# KiCad board EOutside.kicad_pcb (continued)
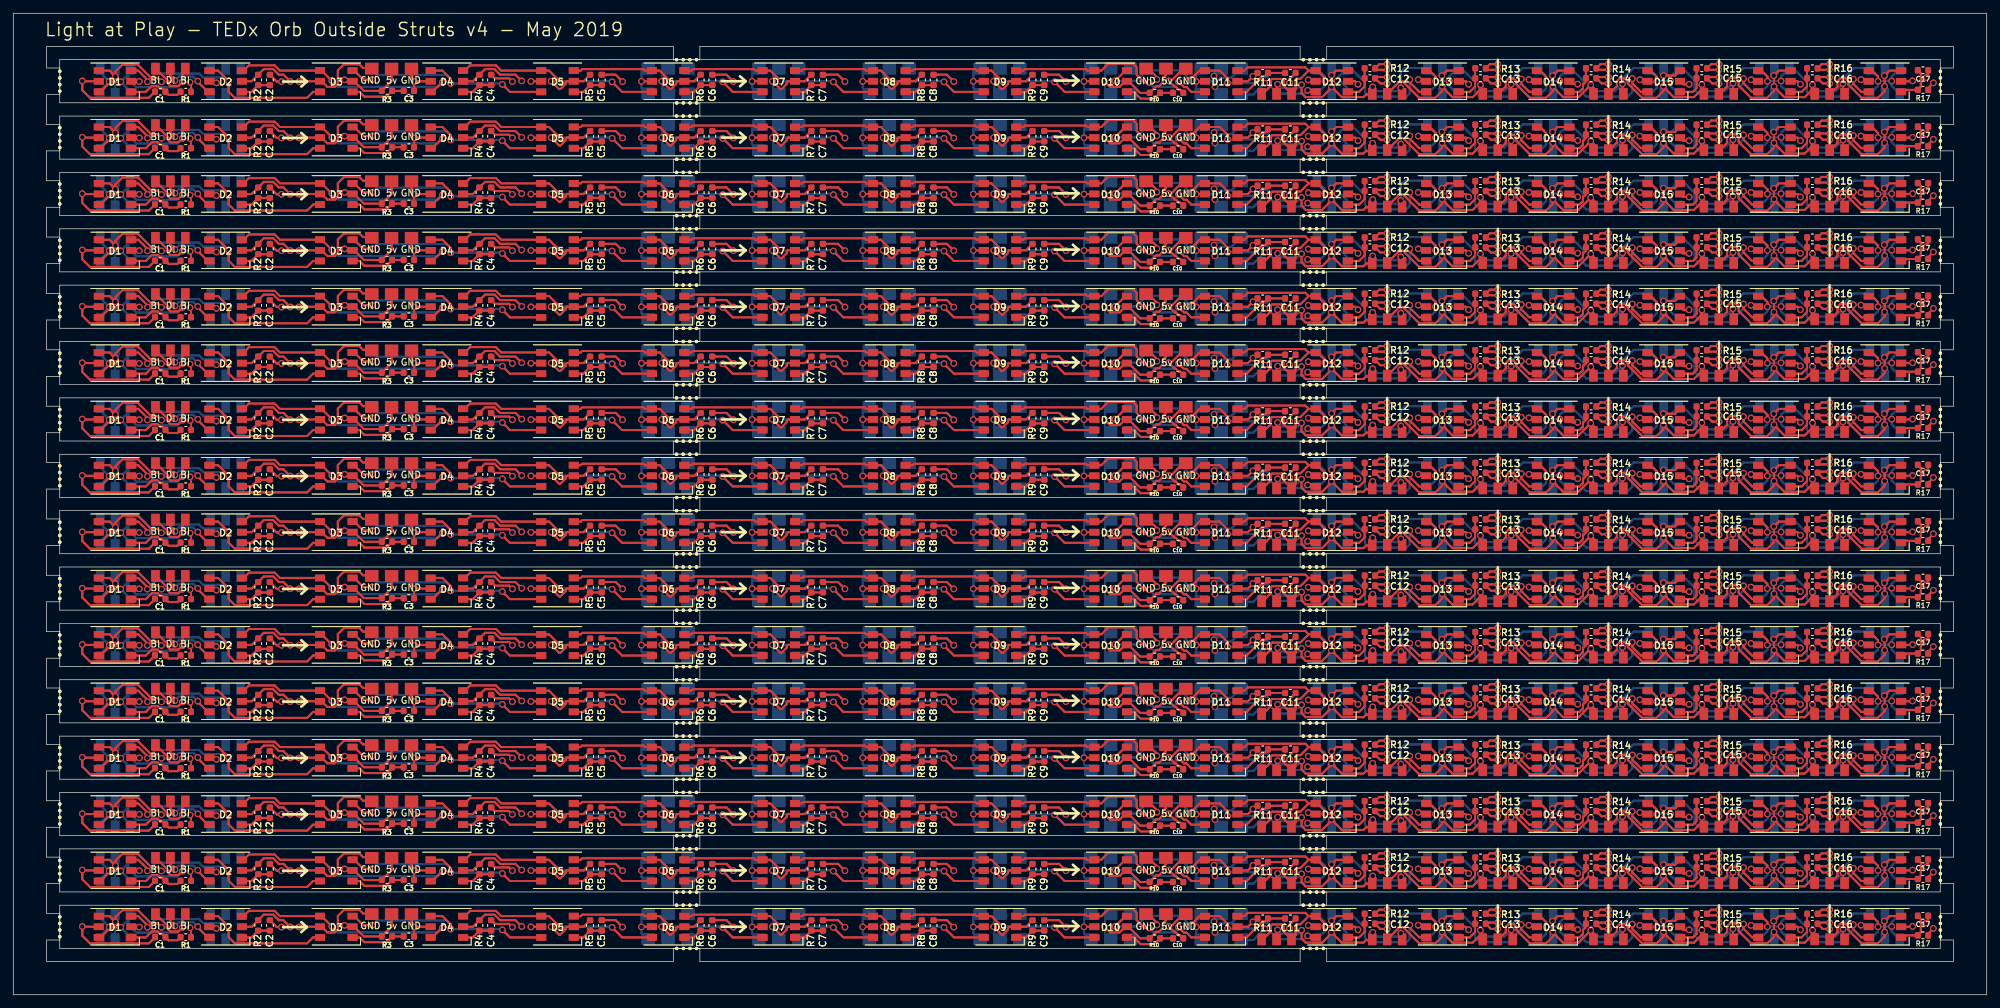
[diagram p0: board, top side]
## Routing (per net, layer and track width the routed paths; a pad name or vN(x,y) marks a point on that pad's centre or on a via; arc(x,y) is an arc through that point) (continued)
Net-(D10-Pad4): length 1027.7
  Top w0.3: 152.17,139.35 D9.3 152.17,139.35 ; 152.17,139.35 152.39,139.58 ; 152.17,139.35 152.39,139.58 ; 152.39,139.58 161.61,139.58 ; 152.39,139.58 161.61,139.58 ; 161.61,139.58 161.83,139.35 ; 161.61,139.58 161.83,139.35 ; 161.83,139.35 D10.4 ; 161.83,139.35 D10.4 ; D10.4 163.93,139.35 ; D10.4 163.93,139.35 ; 169.27,130.24 170.43,129.07 ; 169.27,130.24 169.27,131.34 ; 169.27,130.24 169.27,131.34 ; 169.27,130.24 170.43,129.07 ; 170.43,129.07 v1(171.13,129.07) 170.43,129.07 ; 152.17,130.85 D9#2.3 152.17,130.85 ; 152.17,130.85 152.39,131.08 ; 152.17,130.85 152.39,131.08 ; 161.61,131.08 152.39,131.08 ; 161.61,131.08 161.83,130.85 ; 161.61,131.08 152.39,131.08 ; 161.61,131.08 161.83,130.85 ; 161.83,130.85 D10#2.4 ; 161.83,130.85 D10#2.4 ; D10#2.4 163.93,130.85 ; D10#2.4 163.93,130.85 ; 177.49,127.65 176.76,128.38 ; 177.49,127.65 D11#2.6 177.49,127.65 ; 177.49,127.65 176.76,128.38 ; 176.76,128.38 176.38,128.38 ; 176.76,128.38 176.38,128.38 ; 164.98,131.9 168.7,131.9 ; 164.98,131.9 163.93,130.85 ; 164.98,131.9 168.7,131.9 ; 164.98,131.9 163.93,130.85 ; 168.7,131.9 169.27,131.34 ; 168.7,131.9 169.27,131.34 ; 176.38,128.38 176.06,128.69 ; 176.38,128.38 176.06,128.69 ; 176.06,128.69 v1(175.56,129.19) 176.06,128.69 ; 169.27,121.74 170.43,120.57 ; 169.27,121.74 169.27,122.84 ; 169.27,121.74 169.27,122.84 ; 169.27,121.74 170.43,120.57 ; 170.43,120.57 v1(171.13,120.57) 170.43,120.57 ; 152.17,122.35 D9#3.3 152.17,122.35 ; 152.17,122.35 152.39,122.58 ; 152.17,122.35 152.39,122.58 ; 161.61,122.58 152.39,122.58 ; 161.61,122.58 161.83,122.35 ; 161.61,122.58 152.39,122.58 ; 161.61,122.58 161.83,122.35 ; 161.83,122.35 D10#3.4 ; 161.83,122.35 D10#3.4 ; D10#3.4 163.93,122.35 ; D10#3.4 163.93,122.35 ; 177.49,119.15 176.76,119.88 ; 177.49,119.15 D11#3.6 177.49,119.15 ; 177.49,119.15 176.76,119.88 ; 176.76,119.88 176.38,119.88 ; 176.76,119.88 176.38,119.88 ; 164.98,123.4 168.7,123.4 ; 164.98,123.4 163.93,122.35 ; 164.98,123.4 168.7,123.4 ; 164.98,123.4 163.93,122.35 ; 168.7,123.4 169.27,122.84 ; 168.7,123.4 169.27,122.84 ; 176.38,119.88 176.06,120.19 ; 176.38,119.88 176.06,120.19 ; 176.06,120.19 v1(175.56,120.69) 176.06,120.19 ; 152.17,113.85 D9#4.3 152.17,113.85 ; 152.17,113.85 152.39,114.08 ; 152.17,113.85 152.39,114.08 ; 161.61,114.08 152.39,114.08 ; 161.61,114.08 161.83,113.85 ; 161.61,114.08 152.39,114.08 ; 161.61,114.08 161.83,113.85 ; 161.83,113.85 D10#4.4 ; 161.83,113.85 D10#4.4 ; D10#4.4 163.93,113.85 ; D10#4.4 163.93,113.85 ; 177.49,110.65 176.76,111.38 ; 177.49,110.65 D11#4.6 177.49,110.65 ; 177.49,110.65 176.76,111.38 ; 176.76,111.38 176.38,111.38 ; 176.76,111.38 176.38,111.38 ; 164.98,114.9 168.7,114.9 ; 164.98,114.9 163.93,113.85 ; 164.98,114.9 168.7,114.9 ; 164.98,114.9 163.93,113.85 ; 168.7,114.9 169.27,114.34 ; 168.7,114.9 169.27,114.34 ; 176.38,111.38 176.06,111.69 ; 176.38,111.38 176.06,111.69 ; 176.06,111.69 v1(175.56,112.19) 176.06,111.69 ; 169.27,114.34 169.27,113.24 ; 169.27,114.34 169.27,113.24 ; 169.27,113.24 170.43,112.07 ; 169.27,113.24 170.43,112.07 ; 170.43,112.07 v1(171.13,112.07) 170.43,112.07 ; 169.27,138.74 170.43,137.57 ; 169.27,138.74 169.27,139.84 ; 169.27,138.74 170.43,137.57 ; 169.27,138.74 169.27,139.84 ; 170.43,137.57 v1(171.13,137.57) 170.43,137.57 ; 177.49,136.15 176.76,136.88 ; 177.49,136.15 D11.6 177.49,136.15 ; 177.49,136.15 176.76,136.88 ; 176.76,136.88 176.38,136.88 ; 176.76,136.88 176.38,136.88 ; 164.98,140.4 168.7,140.4 ; 164.98,140.4 163.93,139.35 ; 164.98,140.4 168.7,140.4 ; 164.98,140.4 163.93,139.35 ; 168.7,140.4 169.27,139.84 ; 168.7,140.4 169.27,139.84 ; 176.38,136.88 176.06,137.19 ; 176.38,136.88 176.06,137.19 ; 176.06,137.19 v1(175.56,137.69) 176.06,137.19 ; 169.27,104.74 170.43,103.57 ; 169.27,104.74 169.27,105.84 ; 169.27,104.74 169.27,105.84 ; 169.27,104.74 170.43,103.57 ; 170.43,103.57 v1(171.13,103.57) 170.43,103.57 ; 152.17,105.35 D9#11.3 152.17,105.35 ; 152.17,105.35 152.39,105.58 ; 152.17,105.35 152.39,105.58 ; 161.61,105.58 152.39,105.58 ; 161.61,105.58 161.83,105.35 ; 161.61,105.58 161.83,105.35 ; 161.61,105.58 152.39,105.58 ; 161.83,105.35 D10#13.4 ; 161.83,105.35 D10#13.4 ; D10#13.4 163.93,105.35 ; D10#13.4 163.93,105.35 ; 177.49,102.15 176.76,102.88 ; 177.49,102.15 D11#11.6 177.49,102.15 ; 177.49,102.15 176.76,102.88 ; 176.76,102.88 176.38,102.88 ; 176.76,102.88 176.38,102.88 ; 164.98,106.4 168.7,106.4 ; 164.98,106.4 163.93,105.35 ; 164.98,106.4 168.7,106.4 ; 164.98,106.4 163.93,105.35 ; 168.7,106.4 169.27,105.84 ; 168.7,106.4 169.27,105.84 ; 176.38,102.88 176.06,103.19 ; 176.38,102.88 176.06,103.19 ; 176.06,103.19 v1(175.56,103.69) 176.06,103.19 ; 152.17,96.85 D9#14.3 152.17,96.85 ; 152.17,96.85 152.39,97.08 ; 152.17,96.85 152.39,97.08 ; 161.61,97.08 152.39,97.08 ; 161.61,97.08 161.83,96.85 ; 161.61,97.08 152.39,97.08 ; 161.61,97.08 161.83,96.85 ; 161.83,96.85 D10#15.4 ; 161.83,96.85 D10#15.4 ; D10#15.4 163.93,96.85 ; D10#15.4 163.93,96.85 ; 177.49,93.65 176.76,94.38 ; 177.49,93.65 D11#15.6 177.49,93.65 ; 177.49,93.65 176.76,94.38 ; 176.76,94.38 176.38,94.38 ; 176.76,94.38 176.38,94.38 ; 164.98,97.9 168.7,97.9 ; 164.98,97.9 163.93,96.85 ; 164.98,97.9 168.7,97.9 ; 164.98,97.9 163.93,96.85 ; 168.7,97.9 169.27,97.34 ; 168.7,97.9 169.27,97.34 ; 176.38,94.38 176.06,94.69 ; 176.38,94.38 176.06,94.69 ; 176.06,94.69 v1(175.56,95.19) 176.06,94.69 ; 169.27,97.34 169.27,96.24 ; 169.27,97.34 169.27,96.24 ; 169.27,96.24 170.43,95.07 ; 169.27,96.24 170.43,95.07 ; 170.43,95.07 v1(171.13,95.07) 170.43,95.07 ; 170.43,78.07 v1(171.13,78.07) 170.43,78.07 ; 170.43,78.07 169.27,79.24 ; 170.43,78.07 169.27,79.24 ; 169.27,79.24 169.27,80.34 ; 169.27,79.24 169.27,80.34 ; 152.17,79.85 D9#12.3 152.17,79.85 ; 152.17,79.85 152.39,80.08 ; 152.17,79.85 152.39,80.08 ; 161.61,80.08 152.39,80.08 ; 161.61,80.08 161.83,79.85 ; 161.61,80.08 152.39,80.08 ; 161.61,80.08 161.83,79.85 ; 161.83,79.85 D10#10.4 ; 161.83,79.85 D10#10.4 ; D10#10.4 163.93,79.85 ; D10#10.4 163.93,79.85 ; 177.49,76.65 176.76,77.38 ; 177.49,76.65 D11#13.6 177.49,76.65 ; 177.49,76.65 176.76,77.38 ; 176.76,77.38 176.38,77.38 ; 176.76,77.38 176.38,77.38 ; 164.98,80.9 168.7,80.9 ; 164.98,80.9 163.93,79.85 ; 164.98,80.9 168.7,80.9 ; 164.98,80.9 163.93,79.85 ; 168.7,80.9 169.27,80.34 ; 168.7,80.9 169.27,80.34 ; 176.38,77.38 176.06,77.69 ; 176.38,77.38 176.06,77.69 ; 176.06,77.69 v1(175.56,78.19) 176.06,77.69 ; 152.17,88.35 D9#9.3 152.17,88.35 ; 152.17,88.35 152.39,88.58 ; 152.17,88.35 152.39,88.58 ; 161.61,88.58 152.39,88.58 ; 161.61,88.58 161.83,88.35 ; 161.61,88.58 152.39,88.58 ; 161.61,88.58 161.83,88.35 ; 161.83,88.35 D10#9.4 ; 161.83,88.35 D10#9.4 ; D10#9.4 163.93,88.35 ; D10#9.4 163.93,88.35 ; 177.49,85.15 176.76,85.88 ; 177.49,85.15 D11#9.6 177.49,85.15 ; 177.49,85.15 176.76,85.88 ; 176.76,85.88 176.38,85.88 ; 176.76,85.88 176.38,85.88 ; 164.98,89.4 168.7,89.4 ; 164.98,89.4 163.93,88.35 ; 164.98,89.4 168.7,89.4 ; 164.98,89.4 163.93,88.35 ; 168.7,89.4 169.27,88.84 ; 168.7,89.4 169.27,88.84 ; 176.38,85.88 176.06,86.19 ; 176.38,85.88 176.06,86.19 ; 176.06,86.19 v1(175.56,86.69) 176.06,86.19 ; 169.27,88.84 169.27,87.74 ; 169.27,88.84 169.27,87.74 ; 169.27,87.74 170.43,86.57 ; 169.27,87.74 170.43,86.57 ; 170.43,86.57 v1(171.13,86.57) 170.43,86.57 ; 170.43,69.57 v1(171.13,69.57) 170.43,69.57 ; 170.43,69.57 169.27,70.74 ; 170.43,69.57 169.27,70.74 ; 169.27,70.74 169.27,71.84 ; 169.27,70.74 169.27,71.84 ; 152.17,71.35 D9#17.3 152.17,71.35 ; 152.17,71.35 152.39,71.58 ; 152.17,71.35 152.39,71.58 ; 161.61,71.58 152.39,71.58 ; 161.61,71.58 161.83,71.35 ; 161.61,71.58 161.83,71.35 ; 161.61,71.58 152.39,71.58 ; 161.83,71.35 D10#17.4 ; 161.83,71.35 D10#17.4 ; D10#17.4 163.93,71.35 ; D10#17.4 163.93,71.35 ; 177.49,68.15 176.76,68.88 ; 177.49,68.15 D11#17.6 177.49,68.15 ; 177.49,68.15 176.76,68.88 ; 176.76,68.88 176.38,68.88 ; 176.76,68.88 176.38,68.88 ; 164.98,72.4 168.7,72.4 ; 164.98,72.4 163.93,71.35 ; 164.98,72.4 168.7,72.4 ; 164.98,72.4 163.93,71.35 ; 168.7,72.4 169.27,71.84 ; 168.7,72.4 169.27,71.84 ; 176.38,68.88 176.06,69.19 ; 176.38,68.88 176.06,69.19 ; 176.06,69.19 v1(175.56,69.69) 176.06,69.19 ; 152.17,62.85 D9#21.3 152.17,62.85 ; 152.17,62.85 152.39,63.08 ; 152.17,62.85 152.39,63.08 ; 161.61,63.08 152.39,63.08 ; 161.61,63.08 161.83,62.85 ; 161.61,63.08 152.39,63.08 ; 161.61,63.08 161.83,62.85 ; 161.83,62.85 D10#22.4 ; 161.83,62.85 D10#22.4 ; D10#22.4 163.93,62.85 ; D10#22.4 163.93,62.85 ; 177.49,59.65 176.76,60.38 ; 177.49,59.65 D11#19.6 177.49,59.65 ; 177.49,59.65 176.76,60.38 ; 176.76,60.38 176.38,60.38 ; 176.76,60.38 176.38,60.38 ; 164.98,63.9 168.7,63.9 ; 164.98,63.9 163.93,62.85 ; 164.98,63.9 168.7,63.9 ; 164.98,63.9 163.93,62.85 ; 168.7,63.9 169.27,63.34 ; 168.7,63.9 169.27,63.34 ; 176.38,60.38 176.06,60.69 ; 176.38,60.38 176.06,60.69 ; 176.06,60.69 v1(175.56,61.19) 176.06,60.69 ; 169.27,63.34 169.27,62.24 ; 169.27,63.34 169.27,62.24 ; 169.27,62.24 170.43,61.07 ; 169.27,62.24 170.43,61.07 ; 170.43,61.07 v1(171.13,61.07) 170.43,61.07 ; 152.17,54.35 D9#18.3 152.17,54.35 ; 152.17,54.35 152.39,54.58 ; 152.17,54.35 152.39,54.58 ; 161.61,54.58 152.39,54.58 ; 161.61,54.58 161.83,54.35 ; 161.61,54.58 152.39,54.58 ; 161.61,54.58 161.83,54.35 ; 161.83,54.35 D10#18.4 ; 161.83,54.35 D10#18.4 ; D10#18.4 163.93,54.35 ; D10#18.4 163.93,54.35 ; 177.49,51.15 176.76,51.88 ; 177.49,51.15 D11#20.6 177.49,51.15 ; 177.49,51.15 176.76,51.88 ; 176.76,51.88 176.38,51.88 ; 176.76,51.88 176.38,51.88 ; 164.98,55.4 168.7,55.4 ; 164.98,55.4 163.93,54.35 ; 164.98,55.4 168.7,55.4 ; 164.98,55.4 163.93,54.35 ; 168.7,55.4 169.27,54.84 ; 168.7,55.4 169.27,54.84 ; 176.38,51.88 176.06,52.19 ; 176.38,51.88 176.06,52.19 ; 176.06,52.19 v1(175.56,52.69) 176.06,52.19 ; 169.27,54.84 169.27,53.74 ; 169.27,54.84 169.27,53.74 ; 169.27,53.74 170.43,52.57 ; 169.27,53.74 170.43,52.57 ; 170.43,44.07 v1(171.13,44.07) 170.43,44.07 ; 170.43,44.07 169.27,45.24 ; 170.43,44.07 169.27,45.24 ; 169.27,45.24 169.27,46.34 ; 169.27,45.24 169.27,46.34 ; 152.17,45.85 D9#19.3 152.17,45.85 ; 152.17,45.85 152.39,46.08 ; 152.17,45.85 152.39,46.08 ; 161.61,46.08 152.39,46.08 ; 161.61,46.08 161.83,45.85 ; 161.61,46.08 152.39,46.08 ; 161.61,46.08 161.83,45.85 ; 161.83,45.85 D10#19.4 ; 161.83,45.85 D10#19.4 ; D10#19.4 163.93,45.85 ; D10#19.4 163.93,45.85 ; 177.49,42.65 176.76,43.38 ; 177.49,42.65 D11#21.6 177.49,42.65 ; 177.49,42.65 176.76,43.38 ; 176.76,43.38 176.38,43.38 ; 176.76,43.38 176.38,43.38 ; 164.98,46.9 168.7,46.9 ; 164.98,46.9 163.93,45.85 ; 164.98,46.9 168.7,46.9 ; 164.98,46.9 163.93,45.85 ; 168.7,46.9 169.27,46.34 ; 168.7,46.9 169.27,46.34 ; 176.38,43.38 176.06,43.69 ; 176.38,43.38 176.06,43.69 ; 176.06,43.69 v1(175.56,44.19) 176.06,43.69 ; 170.43,52.57 v1(171.13,52.57) 170.43,52.57 ; 170.43,27.07 v1(171.13,27.07) 170.43,27.07 ; 170.43,27.07 169.27,28.24 ; 170.43,27.07 169.27,28.24 ; 169.27,28.24 169.27,29.34 ; 169.27,28.24 169.27,29.34 ; 152.17,20.35 D9#29.3 152.17,20.35 ; 152.17,20.35 152.39,20.58 ; 152.17,20.35 152.39,20.58 ; 161.61,20.58 152.39,20.58 ; 161.61,20.58 161.83,20.35 ; 161.61,20.58 152.39,20.58 ; 161.61,20.58 161.83,20.35 ; 161.83,20.35 D10#30.4 ; 161.83,20.35 D10#30.4 ; D10#30.4 163.93,20.35 ; D10#30.4 163.93,20.35 ; 177.49,17.15 176.76,17.88 ; 177.49,17.15 D11#28.6 177.49,17.15 ; 177.49,17.15 176.76,17.88 ; 176.76,17.88 176.38,17.88 ; 176.76,17.88 176.38,17.88 ; 164.98,21.4 168.7,21.4 ; 164.98,21.4 163.93,20.35 ; 164.98,21.4 168.7,21.4 ; 164.98,21.4 163.93,20.35 ; 168.7,21.4 169.27,20.84 ; 168.7,21.4 169.27,20.84 ; 176.38,17.88 176.06,18.19 ; 176.38,17.88 176.06,18.19 ; 176.06,18.19 v1(175.56,18.69) 176.06,18.19 ; 169.27,20.84 169.27,19.74 ; 169.27,20.84 169.27,19.74 ; 169.27,19.74 170.43,18.57 ; 169.27,19.74 170.43,18.57 ; 152.17,37.35 D9#25.3 152.17,37.35 ; 152.17,37.35 152.39,37.58 ; 152.17,37.35 152.39,37.58 ; 161.61,37.58 152.39,37.58 ; 161.61,37.58 152.39,37.58 ; 161.61,37.58 161.83,37.35 ; 161.61,37.58 161.83,37.35 ; 170.43,35.57 v1(171.13,35.57) 170.43,35.57 ; 170.43,35.57 169.27,36.74 ; 170.43,35.57 169.27,36.74 ; 169.27,36.74 169.27,37.84 ; 169.27,36.74 169.27,37.84 ; 161.83,37.35 D10#25.4 ; 161.83,37.35 D10#25.4 ; D10#25.4 163.93,37.35 ; D10#25.4 163.93,37.35 ; 177.49,34.15 176.76,34.88 ; 177.49,34.15 D11#25.6 177.49,34.15 ; 177.49,34.15 176.76,34.88 ; 176.76,34.88 176.38,34.88 ; 176.76,34.88 176.38,34.88 ; 164.98,38.4 168.7,38.4 ; 164.98,38.4 163.93,37.35 ; 164.98,38.4 168.7,38.4 ; 164.98,38.4 163.93,37.35 ; 168.7,38.4 169.27,37.84 ; 168.7,38.4 169.27,37.84 ; 176.38,34.88 176.06,35.19 ; 176.38,34.88 176.06,35.19 ; 176.06,35.19 v1(175.56,35.69) 176.06,35.19 ; 170.43,18.57 v1(171.13,18.57) 170.43,18.57 ; 152.17,11.85 D9#26.3 152.17,11.85 ; 152.17,11.85 152.39,12.08 ; 152.17,11.85 152.39,12.08 ; 161.61,12.08 152.39,12.08 ; 161.61,12.08 161.83,11.85 ; 161.61,12.08 152.39,12.08 ; 161.61,12.08 161.83,11.85 ; 161.83,11.85 D10#26.4 ; 161.83,11.85 D10#26.4 ; D10#26.4 163.93,11.85 ; D10#26.4 163.93,11.85 ; 177.49,8.65 176.76,9.38 ; 177.49,8.65 D11#29.6 177.49,8.65 ; 177.49,8.65 176.76,9.38 ; 176.76,9.38 176.38,9.38 ; 176.76,9.38 176.38,9.38 ; 164.98,12.9 168.7,12.9 ; 164.98,12.9 163.93,11.85 ; 164.98,12.9 168.7,12.9 ; 164.98,12.9 163.93,11.85 ; 168.7,12.9 169.27,12.34 ; 168.7,12.9 169.27,12.34 ; 176.38,9.38 176.06,9.69 ; 176.38,9.38 176.06,9.69 ; 176.06,9.69 v1(175.56,10.19) 176.06,9.69 ; 169.27,12.34 169.27,11.24 ; 169.27,12.34 169.27,11.24 ; 169.27,11.24 170.43,10.07 ; 169.27,11.24 170.43,10.07 ; 170.43,10.07 v1(171.13,10.07) 170.43,10.07 ; 152.17,28.85 D9#28.3 152.17,28.85 ; 152.17,28.85 152.39,29.08 ; 152.17,28.85 152.39,29.08 ; 161.61,29.08 152.39,29.08 ; 161.61,29.08 161.83,28.85 ; 161.61,29.08 152.39,29.08 ; 161.61,29.08 161.83,28.85 ; 161.83,28.85 D10#29.4 ; 161.83,28.85 D10#29.4 ; D10#29.4 163.93,28.85 ; D10#29.4 163.93,28.85 ; 177.49,25.65 176.76,26.38 ; 177.49,25.65 D11#27.6 177.49,25.65 ; 177.49,25.65 176.76,26.38 ; 176.76,26.38 176.38,26.38 ; 176.76,26.38 176.38,26.38 ; 164.98,29.9 168.7,29.9 ; 164.98,29.9 163.93,28.85 ; 164.98,29.9 168.7,29.9 ; 164.98,29.9 163.93,28.85 ; 168.7,29.9 169.27,29.34 ; 168.7,29.9 169.27,29.34 ; 176.38,26.38 176.06,26.69 ; 176.38,26.38 176.06,26.69 ; 176.06,26.69 v1(175.56,27.19) 176.06,26.69
  Bottom w0.3: 174.77,128.4 v1(175.56,129.19) 174.77,128.4 ; 174.77,128.4 171.81,128.4 ; 174.77,128.4 171.81,128.4 ; 171.81,128.4 171.63,128.57 ; 171.81,128.4 171.63,128.57 ; 171.63,128.57 v1(171.13,129.07) 171.63,128.57 ; 174.77,119.9 v1(175.56,120.69) 174.77,119.9 ; 174.77,119.9 171.81,119.9 ; 174.77,119.9 171.81,119.9 ; 171.81,119.9 171.63,120.07 ; 171.81,119.9 171.63,120.07 ; 171.63,120.07 v1(171.13,120.57) 171.63,120.07 ; 171.63,111.57 v1(171.13,112.07) 171.63,111.57 ; 171.63,111.57 171.81,111.4 ; 171.63,111.57 171.81,111.4 ; 171.81,111.4 174.77,111.4 ; 171.81,111.4 174.77,111.4 ; 174.77,111.4 v1(175.56,112.19) 174.77,111.4 ; 174.77,136.9 v1(175.56,137.69) 174.77,136.9 ; 174.77,136.9 171.81,136.9 ; 174.77,136.9 171.81,136.9 ; 171.81,136.9 171.63,137.07 ; 171.81,136.9 171.63,137.07 ; 171.63,137.07 v1(171.13,137.57) 171.63,137.07 ; 174.77,102.9 v1(175.56,103.69) 174.77,102.9 ; 174.77,102.9 171.81,102.9 ; 174.77,102.9 171.81,102.9 ; 171.81,102.9 171.63,103.07 ; 171.81,102.9 171.63,103.07 ; 171.63,103.07 v1(171.13,103.57) 171.63,103.07 ; 171.63,94.57 v1(171.13,95.07) 171.63,94.57 ; 171.63,94.57 171.81,94.4 ; 171.63,94.57 171.81,94.4 ; 171.81,94.4 174.77,94.4 ; 171.81,94.4 174.77,94.4 ; 174.77,94.4 v1(175.56,95.19) 174.77,94.4 ; 174.77,77.4 171.81,77.4 ; 174.77,77.4 v1(175.56,78.19) 174.77,77.4 ; 174.77,77.4 171.81,77.4 ; 171.81,77.4 171.63,77.57 ; 171.81,77.4 171.63,77.57 ; 171.63,77.57 v1(171.13,78.07) 171.63,77.57 ; 171.63,86.07 v1(171.13,86.57) 171.63,86.07 ; 171.63,86.07 171.81,85.9 ; 171.63,86.07 171.81,85.9 ; 171.81,85.9 174.77,85.9 ; 171.81,85.9 174.77,85.9 ; 174.77,85.9 v1(175.56,86.69) 174.77,85.9 ; 174.77,68.9 v1(175.56,69.69) 174.77,68.9 ; 174.77,68.9 171.81,68.9 ; 174.77,68.9 171.81,68.9 ; 171.81,68.9 171.63,69.07 ; 171.81,68.9 171.63,69.07 ; 171.63,69.07 v1(171.13,69.57) 171.63,69.07 ; 171.63,60.57 v1(171.13,61.07) 171.63,60.57 ; 171.63,60.57 171.81,60.4 ; 171.63,60.57 171.81,60.4 ; 171.81,60.4 174.77,60.4 ; 171.81,60.4 174.77,60.4 ; 174.77,60.4 v1(175.56,61.19) 174.77,60.4 ; 171.63,52.07 v1(171.13,52.57) 171.63,52.07 ; 171.63,52.07 171.81,51.9 ; 171.63,52.07 171.81,51.9 ; 171.81,51.9 174.77,51.9 ; 171.81,51.9 174.77,51.9 ; 174.77,43.4 171.81,43.4 ; 174.77,43.4 v1(175.56,44.19) 174.77,43.4 ; 174.77,43.4 171.81,43.4 ; 171.81,43.4 171.63,43.57 ; 171.81,43.4 171.63,43.57 ; 171.63,43.57 v1(171.13,44.07) 171.63,43.57 ; 174.77,51.9 v1(175.56,52.69) 174.77,51.9 ; 174.77,26.4 v1(175.56,27.19) 174.77,26.4 ; 174.77,26.4 171.81,26.4 ; 174.77,26.4 171.81,26.4 ; 171.81,26.4 171.63,26.57 ; 171.81,26.4 171.63,26.57 ; 174.77,9.4 171.81,9.4 ; 174.77,9.4 v1(175.56,10.19) 174.77,9.4 ; 174.77,9.4 171.81,9.4 ; 171.81,9.4 171.63,9.57 ; 171.81,9.4 171.63,9.57 ; 171.63,18.07 v1(171.13,18.57) 171.63,18.07 ; 171.63,18.07 171.81,17.9 ; 171.63,18.07 171.81,17.9 ; 171.81,17.9 174.77,17.9 ; 171.81,17.9 174.77,17.9 ; 174.77,34.9 171.81,34.9 ; 174.77,34.9 v1(175.56,35.69) 174.77,34.9 ; 174.77,34.9 171.81,34.9 ; 171.81,34.9 171.63,35.07 ; 171.81,34.9 171.63,35.07 ; 171.63,35.07 v1(171.13,35.57) 171.63,35.07 ; 174.77,17.9 v1(175.56,18.69) 174.77,17.9 ; 171.63,9.57 v1(171.13,10.07) 171.63,9.57 ; 171.63,26.57 v1(171.13,27.07) 171.63,26.57
Net-(D10-Pad6): length 958.2
  Top w0.3: 157.39,137.15 v1(156.89,137.65) 157.39,137.15 ; 157.39,137.15 158.39,136.15 ; 157.39,137.15 158.39,136.15 ; 158.39,136.15 D10.6 158.39,136.15 ; 135.5,139.35 D8.3 135.5,139.35 ; 135.5,139.35 135.73,139.58 ; 135.5,139.35 135.73,139.58 ; 135.73,139.58 144.94,139.58 ; 135.73,139.58 144.94,139.58 ; 144.94,139.58 145.17,139.35 ; 144.94,139.58 145.17,139.35 ; 145.17,139.35 D9.4 ; 145.17,139.35 D9.4 ; D9.4 147.39,139.35 ; D9.4 147.39,139.35 ; 148.47,138.27 v1(148.97,137.77) 148.47,138.27 ; 148.47,138.27 147.39,139.35 ; 148.47,138.27 147.39,139.35 ; 157.39,128.65 v1(156.89,129.15) 157.39,128.65 ; 157.39,128.65 158.39,127.65 ; 157.39,128.65 158.39,127.65 ; 158.39,127.65 D10#2.6 158.39,127.65 ; 148.47,129.77 v1(148.97,129.27) 148.47,129.77 ; 148.47,129.77 147.39,130.85 ; 148.47,129.77 147.39,130.85 ; 147.39,130.85 D9#2.4 ; 147.39,130.85 D9#2.4 ; D9#2.4 145.17,130.85 ; D9#2.4 145.17,130.85 ; 135.5,130.85 D8#2.3 135.5,130.85 ; 135.5,130.85 135.73,131.08 ; 135.5,130.85 135.73,131.08 ; 135.73,131.08 144.94,131.08 ; 135.73,131.08 144.94,131.08 ; 144.94,131.08 145.17,130.85 ; 144.94,131.08 145.17,130.85 ; 157.39,120.15 v1(156.89,120.65) 157.39,120.15 ; 157.39,120.15 158.39,119.15 ; 157.39,120.15 158.39,119.15 ; 158.39,119.15 D10#3.6 158.39,119.15 ; 148.47,121.27 v1(148.97,120.77) 148.47,121.27 ; 148.47,121.27 147.39,122.35 ; 148.47,121.27 147.39,122.35 ; 147.39,122.35 D9#3.4 ; 147.39,122.35 D9#3.4 ; D9#3.4 145.17,122.35 ; D9#3.4 145.17,122.35 ; 135.5,122.35 D8#3.3 135.5,122.35 ; 135.5,122.35 135.73,122.58 ; 135.5,122.35 135.73,122.58 ; 135.73,122.58 144.94,122.58 ; 135.73,122.58 144.94,122.58 ; 144.94,122.58 145.17,122.35 ; 144.94,122.58 145.17,122.35 ; D9#4.4 145.17,113.85 ; D9#4.4 147.39,113.85 ; D9#4.4 145.17,113.85 ; D9#4.4 147.39,113.85 ; 145.17,113.85 144.94,114.08 ; 145.17,113.85 144.94,114.08 ; 144.94,114.08 135.73,114.08 ; 144.94,114.08 135.73,114.08 ; 135.73,114.08 135.5,113.85 ; 135.73,114.08 135.5,113.85 ; 135.5,113.85 D8#4.3 135.5,113.85 ; 147.39,113.85 148.47,112.77 ; 147.39,113.85 148.47,112.77 ; 148.47,112.77 v1(148.97,112.27) 148.47,112.77 ; 158.39,110.65 D10#4.6 158.39,110.65 ; 158.39,110.65 157.39,111.65 ; 158.39,110.65 157.39,111.65 ; 157.39,111.65 v1(156.89,112.15) 157.39,111.65 ; 157.39,103.15 v1(156.89,103.65) 157.39,103.15 ; 157.39,103.15 158.39,102.15 ; 157.39,103.15 158.39,102.15 ; 158.39,102.15 D10#13.6 158.39,102.15 ; 148.47,104.27 v1(148.97,103.77) 148.47,104.27 ; 148.47,104.27 147.39,105.35 ; 148.47,104.27 147.39,105.35 ; 147.39,105.35 D9#11.4 ; 147.39,105.35 D9#11.4 ; D9#11.4 145.17,105.35 ; D9#11.4 145.17,105.35 ; 135.5,105.35 D8#13.3 135.5,105.35 ; 135.5,105.35 135.73,105.58 ; 135.5,105.35 135.73,105.58 ; 135.73,105.58 144.94,105.58 ; 135.73,105.58 144.94,105.58 ; 144.94,105.58 145.17,105.35 ; 144.94,105.58 145.17,105.35 ; D9#14.4 145.17,96.85 ; D9#14.4 147.39,96.85 ; D9#14.4 145.17,96.85 ; D9#14.4 147.39,96.85 ; 145.17,96.85 144.94,97.08 ; 145.17,96.85 144.94,97.08 ; 144.94,97.08 135.73,97.08 ; 144.94,97.08 135.73,97.08 ; 135.73,97.08 135.5,96.85 ; 135.73,97.08 135.5,96.85 ; 135.5,96.85 D8#15.3 135.5,96.85 ; 147.39,96.85 148.47,95.77 ; 147.39,96.85 148.47,95.77 ; 148.47,95.77 v1(148.97,95.27) 148.47,95.77 ; 158.39,93.65 D10#15.6 158.39,93.65 ; 158.39,93.65 157.39,94.65 ; 158.39,93.65 157.39,94.65 ; 157.39,94.65 v1(156.89,95.15) 157.39,94.65 ; D9#12.4 145.17,79.85 ; D9#12.4 147.39,79.85 ; D9#12.4 145.17,79.85 ; D9#12.4 147.39,79.85 ; 145.17,79.85 144.94,80.08 ; 145.17,79.85 144.94,80.08 ; 144.94,80.08 135.73,80.08 ; 144.94,80.08 135.73,80.08 ; 135.73,80.08 135.5,79.85 ; 135.73,80.08 135.5,79.85 ; 135.5,79.85 D8#10.3 135.5,79.85 ; 147.39,79.85 148.47,78.77 ; 147.39,79.85 148.47,78.77 ; 148.47,78.77 v1(148.97,78.27) 148.47,78.77 ; 158.39,76.65 D10#10.6 158.39,76.65 ; 158.39,76.65 157.39,77.65 ; 158.39,76.65 157.39,77.65 ; 157.39,77.65 v1(156.89,78.15) 157.39,77.65 ; 157.39,86.15 v1(156.89,86.65) 157.39,86.15 ; 157.39,86.15 158.39,85.15 ; 157.39,86.15 158.39,85.15 ; 158.39,85.15 D10#9.6 158.39,85.15 ; 148.47,87.27 v1(148.97,86.77) 148.47,87.27 ; 148.47,87.27 147.39,88.35 ; 148.47,87.27 147.39,88.35 ; 147.39,88.35 D9#9.4 ; 147.39,88.35 D9#9.4 ; D9#9.4 145.17,88.35 ; D9#9.4 145.17,88.35 ; 135.5,88.35 D8#9.3 135.5,88.35 ; 135.5,88.35 135.73,88.58 ; 135.5,88.35 135.73,88.58 ; 135.73,88.58 144.94,88.58 ; 135.73,88.58 144.94,88.58 ; 144.94,88.58 145.17,88.35 ; 144.94,88.58 145.17,88.35 ; 157.39,69.15 v1(156.89,69.65) 157.39,69.15 ; 157.39,69.15 158.39,68.15 ; 157.39,69.15 158.39,68.15 ; 158.39,68.15 D10#17.6 158.39,68.15 ; 148.47,70.27 v1(148.97,69.77) 148.47,70.27 ; 148.47,70.27 147.39,71.35 ; 148.47,70.27 147.39,71.35 ; 147.39,71.35 D9#17.4 ; 147.39,71.35 D9#17.4 ; D9#17.4 145.17,71.35 ; D9#17.4 145.17,71.35 ; 135.5,71.35 D8#17.3 135.5,71.35 ; 135.5,71.35 135.73,71.58 ; 135.5,71.35 135.73,71.58 ; 135.73,71.58 144.94,71.58 ; 135.73,71.58 144.94,71.58 ; 144.94,71.58 145.17,71.35 ; 144.94,71.58 145.17,71.35 ; 158.39,59.65 157.39,60.65 ; 158.39,59.65 D10#22.6 158.39,59.65 ; 158.39,59.65 157.39,60.65 ; 157.39,60.65 v1(156.89,61.15) 157.39,60.65 ; D9#21.4 145.17,62.85 ; D9#21.4 147.39,62.85 ; D9#21.4 145.17,62.85 ; D9#21.4 147.39,62.85 ; 145.17,62.85 144.94,63.08 ; 145.17,62.85 144.94,63.08 ; 144.94,63.08 135.73,63.08 ; 144.94,63.08 135.73,63.08 ; 135.73,63.08 135.5,62.85 ; 135.73,63.08 135.5,62.85 ; 135.5,62.85 D8#21.3 135.5,62.85 ; 147.39,62.85 148.47,61.77 ; 147.39,62.85 148.47,61.77 ; 148.47,61.77 v1(148.97,61.27) 148.47,61.77 ; D9#19.4 145.17,45.85 ; D9#19.4 147.39,45.85 ; D9#19.4 145.17,45.85 ; D9#19.4 147.39,45.85 ; 145.17,45.85 144.94,46.08 ; 145.17,45.85 144.94,46.08 ; 144.94,46.08 135.73,46.08 ; 144.94,46.08 135.73,46.08 ; 135.73,46.08 135.5,45.85 ; 135.73,46.08 135.5,45.85 ; 135.5,45.85 D8#19.3 135.5,45.85 ; 147.39,45.85 148.47,44.77 ; 147.39,45.85 148.47,44.77 ; 148.47,44.77 v1(148.97,44.27) 148.47,44.77 ; 158.39,42.65 D10#19.6 158.39,42.65 ; 158.39,42.65 157.39,43.65 ; 158.39,42.65 157.39,43.65 ; 157.39,43.65 v1(156.89,44.15) 157.39,43.65 ; 157.39,52.15 v1(156.89,52.65) 157.39,52.15 ; 157.39,52.15 158.39,51.15 ; 157.39,52.15 158.39,51.15 ; 158.39,51.15 D10#18.6 158.39,51.15 ; 148.47,53.27 v1(148.97,52.77) 148.47,53.27 ; 148.47,53.27 147.39,54.35 ; 148.47,53.27 147.39,54.35 ; 147.39,54.35 D9#18.4 ; 147.39,54.35 D9#18.4 ; D9#18.4 145.17,54.35 ; D9#18.4 145.17,54.35 ; 135.5,54.35 D8#18.3 135.5,54.35 ; 135.5,54.35 135.73,54.58 ; 135.5,54.35 135.73,54.58 ; 135.73,54.58 144.94,54.58 ; 135.73,54.58 144.94,54.58 ; 144.94,54.58 145.17,54.35 ; 144.94,54.58 145.17,54.35 ; D9#28.4 145.17,28.85 ; D9#28.4 147.39,28.85 ; D9#28.4 145.17,28.85 ; D9#28.4 147.39,28.85 ; 145.17,28.85 144.94,29.08 ; 145.17,28.85 144.94,29.08 ; 144.94,29.08 135.73,29.08 ; 144.94,29.08 135.73,29.08 ; 135.73,29.08 135.5,28.85 ; 135.73,29.08 135.5,28.85 ; 135.5,28.85 D8#25.3 135.5,28.85 ; 147.39,28.85 148.47,27.77 ; 147.39,28.85 148.47,27.77 ; 148.47,27.77 v1(148.97,27.27) 148.47,27.77 ; 158.39,25.65 D10#29.6 158.39,25.65 ; 158.39,25.65 157.39,26.65 ; 158.39,25.65 157.39,26.65 ; 157.39,26.65 v1(156.89,27.15) 157.39,26.65 ; 157.39,35.15 v1(156.89,35.65) 157.39,35.15 ; 157.39,35.15 158.39,34.15 ; 157.39,35.15 158.39,34.15 ; 158.39,34.15 D10#25.6 158.39,34.15 ; 148.47,36.27 v1(148.97,35.77) 148.47,36.27 ; 148.47,36.27 147.39,37.35 ; 148.47,36.27 147.39,37.35 ; 147.39,37.35 D9#25.4 ; 147.39,37.35 D9#25.4 ; D9#25.4 145.17,37.35 ; D9#25.4 145.17,37.35 ; 135.5,37.35 D8#27.3 135.5,37.35 ; 135.5,37.35 135.73,37.58 ; 135.5,37.35 135.73,37.58 ; 135.73,37.58 144.94,37.58 ; 135.73,37.58 144.94,37.58 ; 144.94,37.58 145.17,37.35 ; 144.94,37.58 145.17,37.35 ; 157.39,18.15 v1(156.89,18.65) 157.39,18.15 ; 157.39,18.15 158.39,17.15 ; 157.39,18.15 158.39,17.15 ; 158.39,17.15 D10#30.6 158.39,17.15 ; 148.47,19.27 v1(148.97,18.77) 148.47,19.27 ; 148.47,19.27 147.39,20.35 ; 148.47,19.27 147.39,20.35 ; 147.39,20.35 D9#29.4 ; 147.39,20.35 D9#29.4 ; D9#29.4 145.17,20.35 ; D9#29.4 145.17,20.35 ; 135.5,20.35 D8#26.3 135.5,20.35 ; 135.5,20.35 135.73,20.58 ; 135.5,20.35 135.73,20.58 ; 135.73,20.58 144.94,20.58 ; 135.73,20.58 144.94,20.58 ; 144.94,20.58 145.17,20.35 ; 144.94,20.58 145.17,20.35 ; D9#26.4 145.17,11.85 ; D9#26.4 147.39,11.85 ; D9#26.4 145.17,11.85 ; D9#26.4 147.39,11.85 ; 145.17,11.85 144.94,12.08 ; 145.17,11.85 144.94,12.08 ; 144.94,12.08 135.73,12.08 ; 144.94,12.08 135.73,12.08 ; 135.73,12.08 135.5,11.85 ; 135.73,12.08 135.5,11.85 ; 135.5,11.85 D8#28.3 135.5,11.85 ; 147.39,11.85 148.47,10.77 ; 147.39,11.85 148.47,10.77 ; 148.47,10.77 v1(148.97,10.27) 148.47,10.77 ; 158.39,8.65 D10#26.6 158.39,8.65 ; 158.39,8.65 157.39,9.65 ; 158.39,8.65 157.39,9.65 ; 157.39,9.65 v1(156.89,10.15) 157.39,9.65
  Bottom w0.3: 156.77,137.77 v1(156.89,137.65) 156.77,137.77 ; 156.77,137.77 v1(148.97,137.77) 156.77,137.77 ; 156.77,129.27 v1(156.89,129.15) 156.77,129.27 ; 156.77,129.27 v1(148.97,129.27) 156.77,129.27 ; 156.77,120.77 v1(156.89,120.65) 156.77,120.77 ; 156.77,120.77 v1(148.97,120.77) 156.77,120.77 ; 156.77,112.27 v1(148.97,112.27) 156.77,112.27 ; 156.77,112.27 v1(156.89,112.15) 156.77,112.27 ; 156.77,103.77 v1(156.89,103.65) 156.77,103.77 ; 156.77,103.77 v1(148.97,103.77) 156.77,103.77 ; 156.77,95.27 v1(148.97,95.27) 156.77,95.27 ; 156.77,95.27 v1(156.89,95.15) 156.77,95.27 ; 156.77,78.27 v1(148.97,78.27) 156.77,78.27 ; 156.77,78.27 v1(156.89,78.15) 156.77,78.27 ; 156.77,86.77 v1(156.89,86.65) 156.77,86.77 ; 156.77,86.77 v1(148.97,86.77) 156.77,86.77 ; 156.77,69.77 v1(156.89,69.65) 156.77,69.77 ; 156.77,69.77 v1(148.97,69.77) 156.77,69.77 ; 156.77,61.27 v1(156.89,61.15) 156.77,61.27 ; 156.77,61.27 v1(148.97,61.27) 156.77,61.27 ; 156.77,44.27 v1(148.97,44.27) 156.77,44.27 ; 156.77,44.27 v1(156.89,44.15) 156.77,44.27 ; 156.77,52.77 v1(156.89,52.65) 156.77,52.77 ; 156.77,52.77 v1(148.97,52.77) 156.77,52.77 ; 156.77,27.27 v1(148.97,27.27) 156.77,27.27 ; 156.77,27.27 v1(156.89,27.15) 156.77,27.27 ; 156.77,35.77 v1(156.89,35.65) 156.77,35.77 ; 156.77,35.77 v1(148.97,35.77) 156.77,35.77 ; 156.77,18.77 v1(156.89,18.65) 156.77,18.77 ; 156.77,18.77 v1(148.97,18.77) 156.77,18.77 ; 156.77,10.27 v1(148.97,10.27) 156.77,10.27 ; 156.77,10.27 v1(156.89,10.15) 156.77,10.27
